# KiCad board NoU2-panelized2.kicad_pcb (continued)
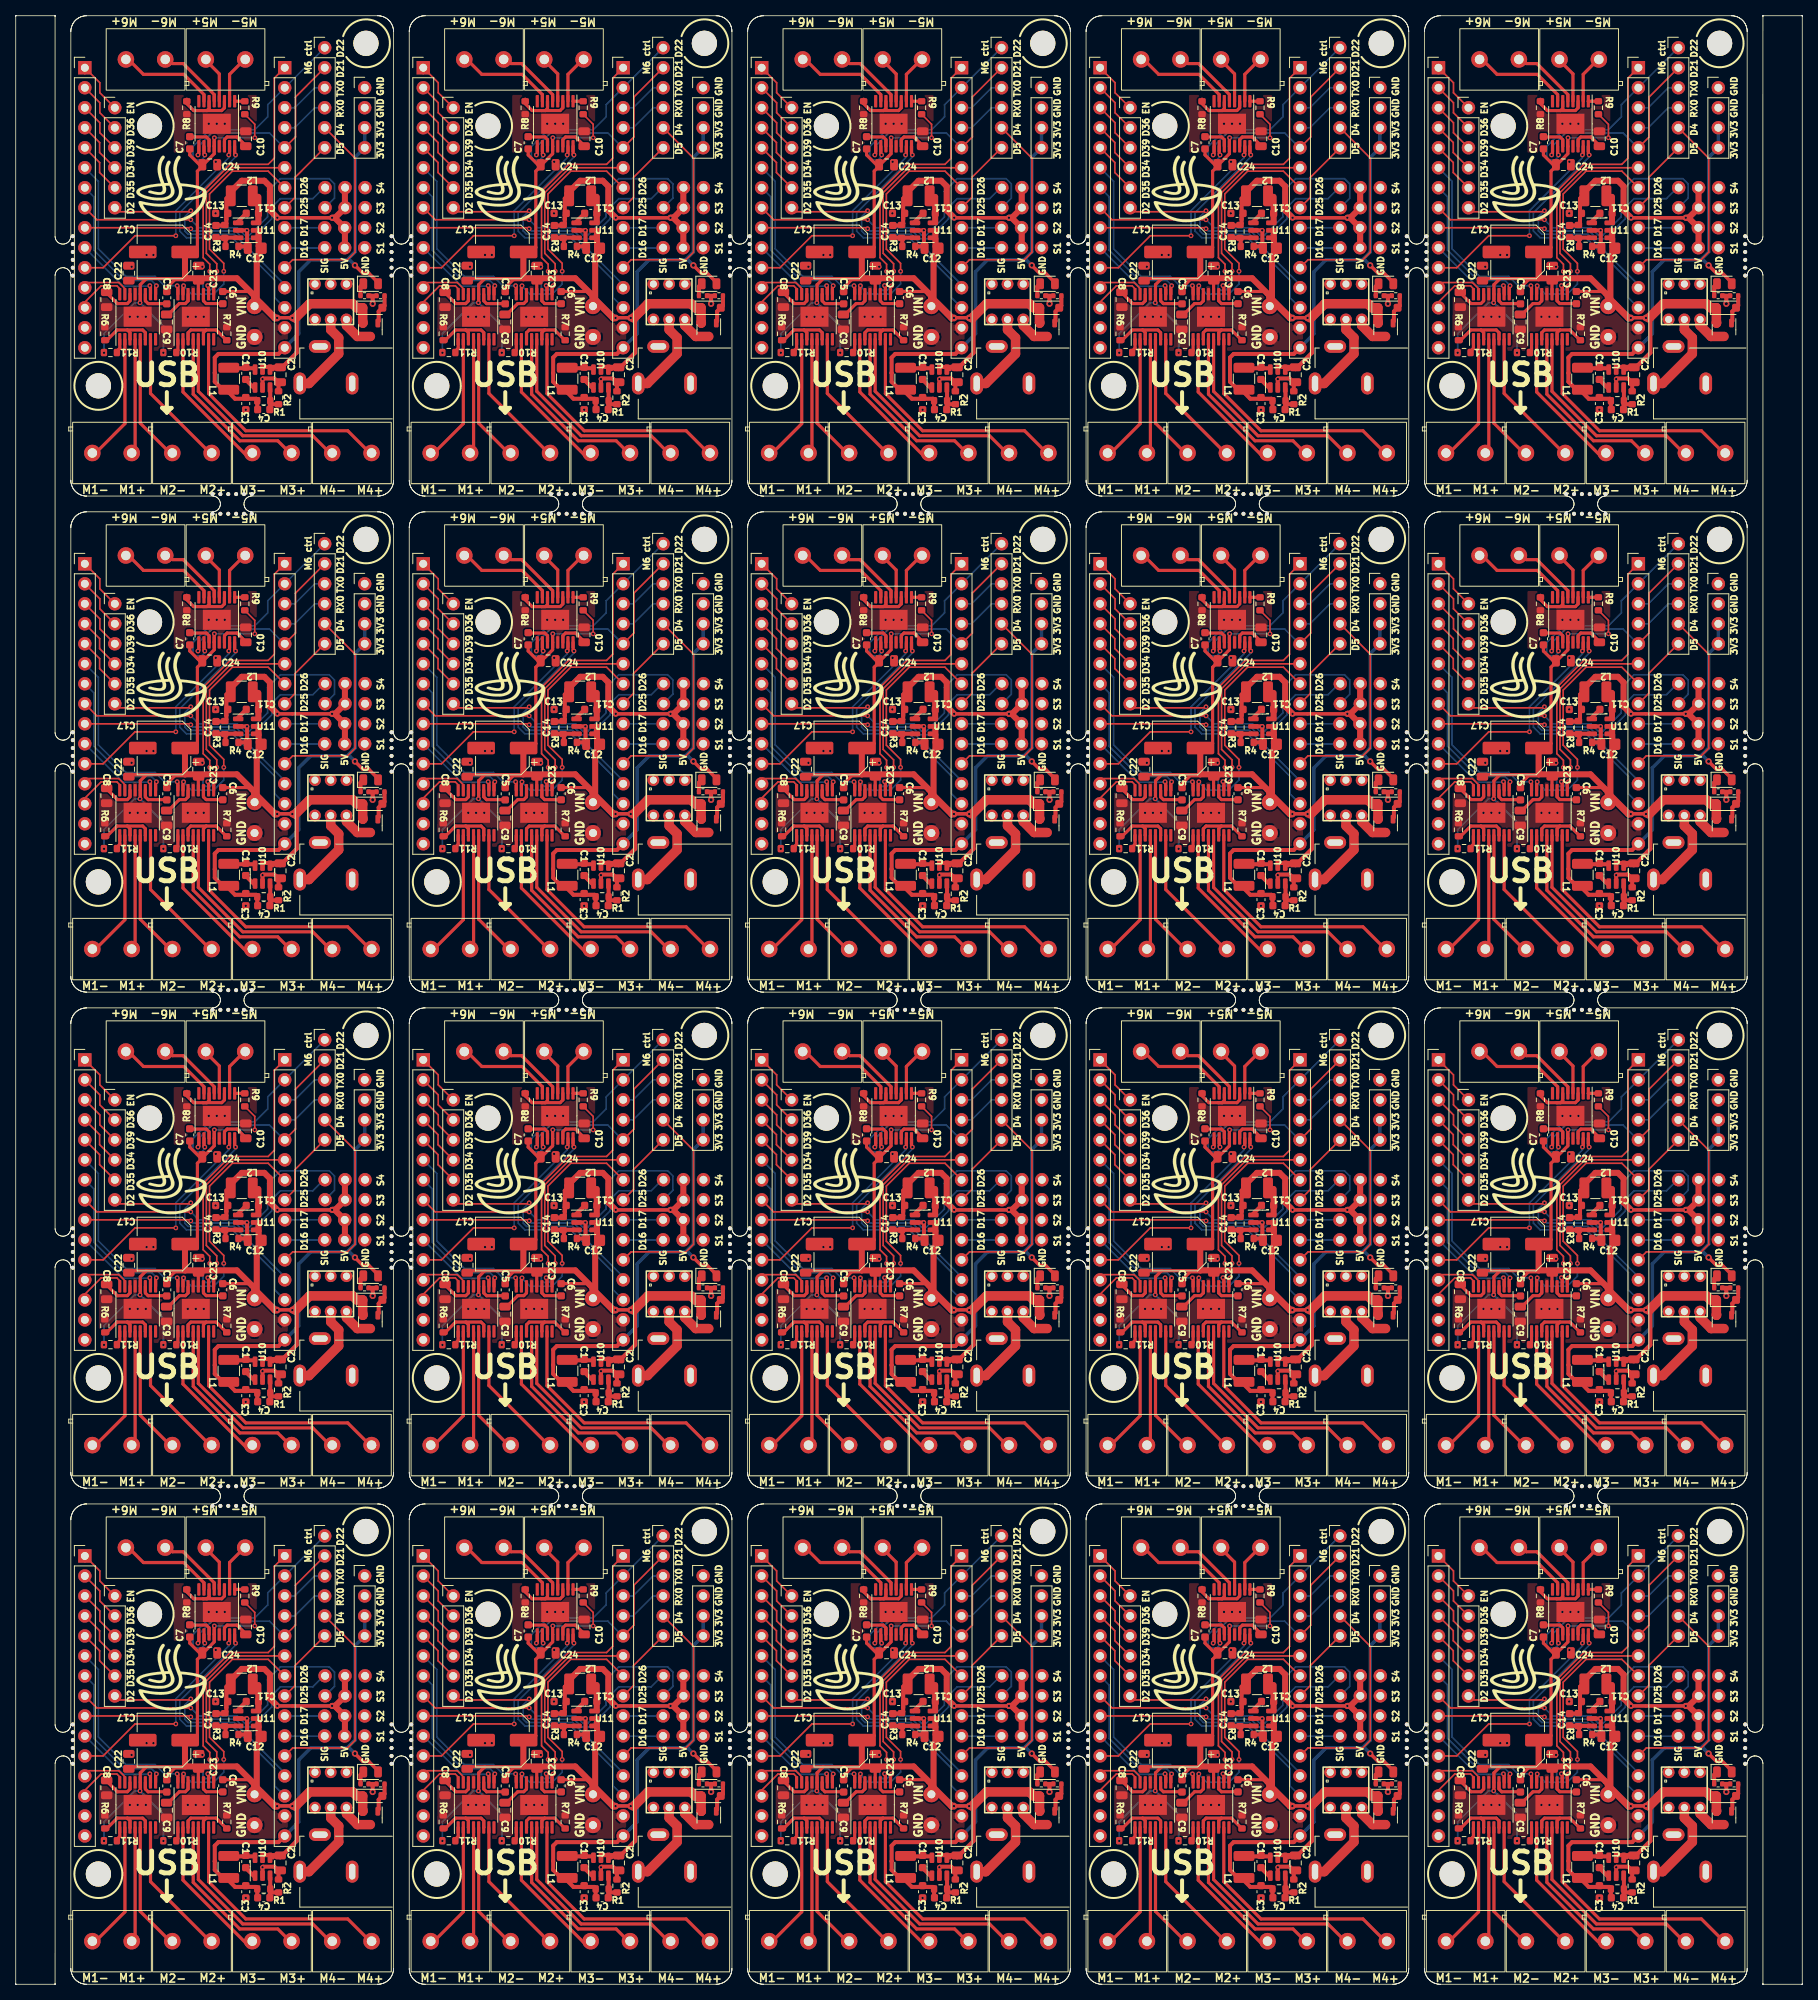
[diagram p0: board, top side]
## Routing (per net, layer and track width the routed paths; a pad name or vN(x,y) marks a point on that pad's centre or on a via; arc(x,y) is an arc through that point) (continued)
Board_17-3V3: length 60.9
  Top w0.432: v1(129.1,29.3) 130.1,28.3 130.85,28.3 132.04,27.11 D1#18.2
  Top w0.508: 113.07,13.37 112.94,13.5 112.94,13.29 113.87,12.36 116.56,12.36 116.81,12.11 ; 116.81,11.04 116.86,10.99 ; 113.2,13.25 112.56,13.25 111.29,14.52 111.29,15.63 111.29,15.63 111.29,17.59 111.75,18.05 119.39,18.05 J5#7.15 ; R1#7.1 116.69,11.04
  Bottom w0.432: J3#20.3 J3#20.4 129.11,43.01 129.11,31.01 128.12,30.01 ; v1(129.1,29.3) 128.39,30.01 128.12,30.01 ; 128.12,30.01 123.48,30.01 121.96,28.49 121.96,20.62 J5#7.15
Board_17-5V: length 40.3
  Top w0.432: v2(126.2,35.35) v2(119.24,35.35)
  Top w0.508: C14#7.2 112.5,34.37 R3#16.1 112.76,34.63 112.76,35.14 ; 113.11,38.14 112.76,37.79 112.76,35.14 ; 112.76,35.14 112.76,35.69 112.98,35.9 112.98,36.1
  Top w0.762: 127.82,31.51 127.82,34.05 126.53,35.35 v2(126.2,35.35) 126.58,35.35 127.82,36.59 127.82,39.16 ; v2(119.24,35.35) 118.3,36.29 118.3,39.33 117.59,40.05 115.58,40.05 115.58,40.04 114.72,40.04 113.11,38.43 113.11,38.14
  Bottom w0.432: v2(119.24,35.35) v2(126.2,35.35)
Board_17-/Sheet6057E9B8/D34: length 6.7
  Top w0.203: J4#4.4 96.66,43.63 96.66,44.9 J2.4
Board_17-/Sheet6057E9B8/D35: length 6.7
  Top w0.203: J4#4.5 96.66,41.09 96.66,42.36 J2.5
Board_17-/Sheet6057E9B8/D36: length 6.7
  Top w0.203: J2.2 96.68,49.95 96.68,48.68 J4#4.2
Board_17-/Sheet6057E9B8/D39: length 6.7
  Top w0.203: J4#4.3 96.68,46.14 96.68,47.41 J2.3
Board_17-/Sheet6057E9B8/EN: length 7.3
  Top w0.203: J4#4.1 96.68,51.22 96.68,52.49 J2.1
  Top w0.399: 94.78,53.76 J2.1
Board_17-D2: length 28.7
  Top w0.203: v2(108.24,36.24) 108.11,36.11 99.1,36.11 J4#4.6
  Bottom w0.203: J5#7.12 120.18,26.84 113.77,33.25 107.9,33.25 107.48,33.67 107.48,35.47 v2(108.24,36.24)
Board_17-D4: length 27.2
  Top w0.203: J5#7.11 121.19,30.01 128.15,30.01 129.12,30.98 129.12,42.92 J1#20.5
Board_17-D5: length 9.7
  Top w0.203: J5#7.8 121.5,37.94 121.5,40.48 J1#20.6
Board_17-GND: length 11.5
  Top w0.508: 115.32,10.98 115.33,10.98 ; R4#20.2 115.31,31.71 115.4,31.8 115.4,33.72 v2(115.38,33.75) 114.06,33.75 ; R5#9.2 131.1,25.44 ; 131.1,25.44 R14#13.2 ; 131.1,25.44 131.36,25.19 v1(131.36,24.42) ; R2#5.2 119.39,14.24 119.61,14.46 119.33,14.46 118.86,14.93 117.43,14.93 v2(117.36,14.86) 117.36,13.61
  vias: v2(100.49,22.77) v2(100.72,29.12) v2(101.5,22.77) v2(102.53,22.77) v2(102.63,30.62) v2(103.49,30.62) v2(107.86,22.77) v2(108.88,22.77) v2(109.71,29.12) v2(109.89,22.77) v2(110.53,47.28) v2(111.42,42.46) v2(111.39,35.9) v2(111.54,47.28) v2(112.56,47.28) v2(115.23,10.96)
Board_17-M1A: length 6.9
  Top w0.203: 99.22,25.64 99.22,26.33 98.85,26.7 96.85,26.7 94.78,24.63 J2.13
Board_17-M1B: length 6.8
  Top w0.203: J2.12 94.78,27.12 99.1,27.12 99.87,26.34 99.87,25.64
Board_17-M2A: length 11.3
  Top w0.399: 103.03,26.66 103.12,26.57 103.12,25.64
  Bottom w0.203: J2.10 99.66,26.66 103.03,26.66
  vias: v2(103.03,26.72)
Board_17-M2B: length 19.4
  Top w0.399: 103.77,25.64 103.77,26.56 103.87,26.66
  Bottom w0.203: J2.7 95.93,38 95.93,31.22 99.78,27.37 103.26,27.37 103.87,26.76 v2(103.87,26.71) 103.87,26.66 103.87,26.72
Board_17-M3A: length 24
  Top w0.399: 106.51,26.66 106.6,26.57 U3.16
  Bottom w0.203: v2(106.51,26.72) 104.88,26.72 103.7,27.9 100,27.9 96.5,31.4 96.5,39.97 J2.6
Board_17-M3B: length 30.9
  Top w0.203: J5#7.7 118.07,41.26 113.52,41.26 110.62,38.36 110.62,31.36 112.43,29.55 v2(112.43,28.54) ; 107.25,26.58 107.33,26.66
  Top w0.399: U3.15 107.25,26.58
  Bottom w0.203: v2(112.43,28.54) 112.43,26.93 111.15,25.65 108.34,25.65 107.33,26.66
  vias: v2(107.33,26.71)
Board_17-M4A: length 25.2
  Top w0.203: J5#7.6 113.39,41.7 110.22,38.53 110.22,30.83 111.54,29.5 v2(111.54,28.54)
  Top w0.399: 110.4,26.66 110.5,26.56 U3.10
  Bottom w0.203: v2(111.54,28.54) 111.54,27.82 110.4,26.67 110.4,26.66
  vias: v2(110.4,26.74)
Board_17-M4B: length 38.7
  Top w0.203: v2(110.65,28.54) 110.65,29.44 109.82,30.28 109.82,38.7 113.24,42.13 118.07,42.13 118.86,42.92 118.86,53.08 J5#7.1
  Top w0.399: U3.9 111.15,26.55 111.26,26.66
  Bottom w0.203: v2(111.29,26.71) 110.71,26.13 110.11,26.13 109.79,26.44 109.79,27.12 110.65,27.98 v2(110.65,28.54)
Board_17-M5A: length 32.5
  Top w0.399: 113.93,43.37 v2(113.93,43.32) 113.82,43.43 U2#11.16
  Bottom w0.203: v2(113.93,43.32) 113.93,43.07 106.84,35.98 106.84,33.65 107.69,32.81 113.51,32.81 118.91,27.41 118.91,25.19 120.18,23.92 J5#7.13
Board_17-M5B: length 27.4
  Top w0.203: J2.11 97.1,29 101.16,33.06 v2(106.34,33.06)
  Top w0.399: 113.07,43.37 113.17,43.47 U2#11.15
  Bottom w0.203: 113.07,43.37 113.07,42.97 106.34,36.24 v2(106.34,33.06)
  vias: v2(113.07,43.32)
Board_17-M6A: length 27.3
  Top w0.203: 125.25,56.94 J1#20.1
  Top w0.399: 110.02,43.37 109.92,43.47 U2#11.10
  Bottom w0.203: v2(110.02,43.32) 110.02,43.12 109.59,42.69 108.85,42.69 108.53,43.02 108.53,44.39 110.65,46.52 116.37,46.52 118.02,48.17 118.02,49.7 J5#7.2 125.25,56.94
Board_17-M6B: length 26.9
  Top w0.203: J5#7.5 121.55,45.61 121.55,50.69 J1#20.2
  Top w0.399: U2#11.9 109.27,43.49 109.16,43.37
  Bottom w0.203: 109.16,43.37 109.27,43.49 109.27,44.46 110.92,46.11 118.24,46.11 120.11,44.24 J5#7.5
  vias: v2(109.16,43.32)
Board_17-Net-(D1-K): length 1.7
  Top w0.508: R14#13.1 129.81,26.61 D1#18.1
Board_17-Net-(D3-A): length 3.7
  Top w0.508: 132.01,22.12 132.12,22.23 132.12,23.45 D3#8.2 132.86,24.19 R5#9.1
Board_17-Net-(J10-Pad1): length 11.3
  Top w1.2: 122.08,14.3 123.26,14.3 127.04,18.07 127.04,20.11 126.02,21.12 U4#6.5
Board_17-Net-(J11-Pin_1): length 14.9
  Top w0.399: 101.17,19.91 101.17,5.42 100.88,5.12
Board_17-Net-(J11-Pin_2): length 16.5
  Top w0.399: 99.87,19.91 99.87,9.2 95.8,5.12
Board_17-Net-(J15-Pin_1): length 18.1
  Top w0.399: 103.12,19.91 103.12,13.03 111.03,5.12
Board_17-Net-(J15-Pin_2): length 16.5
  Top w0.399: 105.96,5.12 101.82,9.25 101.82,19.91
Board_17-Net-(J16-Pin_1): length 22.9
  Top w0.399: U3.4 108.55,12.94 114.47,7.02 119.3,7.02 121.19,5.12
Board_17-Net-(J16-Pin_2): length 18.9
  Top w0.399: U3.2 107.25,13.22 115.35,5.12 116.12,5.12
Board_17-Net-(J17-Pin_1): length 31
  Top w0.399: 131.36,5.12 128.18,8.3 115.23,8.3 110.5,13.02 U3.7
Board_17-Net-(J17-Pin_2): length 27.1
  Top w0.399: U3.5 109.2,13.3 114.84,7.66 123.74,7.66 126.28,5.12
Board_17-Net-(J18-Pin_1): length 6.4
  Top w0.399: 110.15,55.79 110.15,55.34 111.87,53.61 U2#11.4
Board_17-Net-(J18-Pin_2): length 6.5
  Top w0.399: 115.23,55.79 115.23,55.62 113.17,53.56 U2#11.2
Board_17-Net-(J19-Pin_1): length 12.8
  Top w0.399: 99.99,55.79 102.22,53.56 107.35,53.56 109.92,50.99 U2#11.7
Board_17-Net-(J19-Pin_2): length 9
  Top w0.399: U2#11.5 111.22,50.99 107.28,54.93 105.93,54.93 105.07,55.79
Board_17-Net-(Q1-D): length 4.4
  Top w1.2: Q1#15.3 129.41,20.27 128.02,21.66 U4#6.6
Board_17-Net-(U1-AISEN): length 7.8
  Top w0.399: 97.7,19.66 97.7,19.91 98.89,21.1 100.18,21.1 ; 100.52,19.91 100.52,19.91 100.52,20.75 100.18,21.1 ; 100.18,21.1 102.13,21.1 102.47,20.75 102.47,19.91 102.47,19.91
Board_17-Net-(U1-nSLEEP): length 1.8
  Top w0.399: 98.78,18.33 99.22,18.77 99.22,19.91
Board_17-Net-(U1-VCP): length 3.7
  Top w0.399: 102.47,25.64 102.47,24.79 102.82,24.44 105.16,24.44 C5#17.2
Board_17-Net-(U1-VINT): length 4.6
  Top w0.399: C8#11.1 97.55,25.81 98.91,24.45 100.18,24.45 100.52,24.79 100.52,25.64
Board_17-Net-(U2-AISEN): length 8.5
  Top w0.399: U2#11.3 112.52,49.3 112.17,48.96 109.79,48.96 ; 109.79,48.96 110.3,48.96 110.57,49.23 U2#11.6 ; 109.79,48.96 108.61,48.96 107.73,49.84 107.73,50.4
Board_17-Net-(U2-nSLEEP): length 1.3
  Top w0.399: U2#11.1 113.82,50.14 R9.1
Board_17-Net-(U2-VCP): length 3.5
  Top w0.399: C7#18.2 108.15,45.61 110.22,45.61 110.57,45.27 U2#11.11
Board_17-Net-(U2-VINT): length 4.2
  Top w0.399: U2#11.14 112.52,45.27 112.86,45.61 114.12,45.61 115.23,44.51 C10#9.1
Board_17-Net-(U3-AISEN): length 7.8
  Top w0.399: 110.19,21.1 111.47,21.1 112.69,19.89 112.69,19.66 ; 110.19,21.1 108.24,21.1 107.9,20.75 U3.3 107.9,19.91 ; 110.19,21.1 109.85,20.75 U3.6 109.84,19.9
Board_17-Net-(U3-nSLEEP): length 1.7
  Top w0.399: U3.1 106.6,18.53 106.4,18.33
Board_17-Net-(U3-VCP): length 3.4
  Top w0.399: C6#18.2 112.28,24.45 110.19,24.45 109.85,24.79 U3.11
Board_17-Net-(U3-VINT): length 4.3
  Top w0.399: C9#7.1 105.4,23.06 106.78,24.45 107.56,24.45 107.9,24.79 U3.14
Board_17-Net-(U10-BS): length 1.7
  Top w0.508: 115.2,14.8 116.37,13.63 ; 115.33,14.81 115.33,14.78
Board_17-Net-(U10-FB): length 4.1
  Top w0.508: C4.1 118.29,12.06 ; 118.29,12.06 R1#7.2 118.34,13.59 ; 118.29,12.06 118.29,11.84 118.46,11.66 R2#5.1 ; 118.41,12.06 118.46,12.11
Board_17-Net-(U10-LX): length 3.3
  Top w0.508: 116.43,16.23 113.15,16.23
Board_17-Net-(U11-BS): length 1.7
  Top w0.508: C11#14.2 114.08,34.7 114.06,34.7
Board_17-Net-(U11-FB): length 3.7
  Top w0.508: 114.06,32.8 114.04,32.82 C14#7.1 ; R3#16.2 112.65,32.69 R4#20.1
Board_17-Net-(U11-LX): length 3.5
  Top w0.508: 116.7,37.99 116.65,38.04 ; 116.68,35.75 C11#14.1 116.7,36.04
  Top w0.762: 116.83,34.81 116.83,35.86 ; 116.83,36.06 116.83,38
Board_17-RX0: length 6.1
  Bottom w0.203: J5#7.4 121.45,46.78 123.99,49.32 J1#20.4
Board_17-SRV1: length 5.1
  Top w0.203: 120.21,31.51 J5#7.10
  Bottom w0.203: 125.28,31.51 120.21,31.51
Board_17-SRV2: length 5.1
  Bottom w0.203: J5#7.9 125.25,34.08
Board_17-SRV3: length 41.8
  Top w0.203: J2.8 96.3,35.09 v2(108.24,35.09)
  Bottom w0.203: v2(108.24,35.09) 109.26,34.08 114.15,34.08 115.08,33.14 115.68,33.14 118,35.46 118,38.68 119.63,40.31 125.83,40.31 126.5,39.64 126.5,37.83 125.28,36.62
Board_17-SRV4: length 34.6
  Top w0.203: J2.9 108.15,34.08 v2(108.24,33.95)
  Bottom w0.203: v2(108.24,33.95) 108.52,33.67 113.91,33.67 114.91,32.68 115.99,32.68 118.53,35.22 118.53,36.67 119.63,37.77 123.75,37.77 125.13,39.16 125.28,39.16
Board_17-TX0: length 6.1
  Bottom w0.203: J5#7.3 121.45,49.32 123.99,51.86 J1#20.3
Board_17-VIN: length 119.5
  Top w0.203: v2(116.37,45.51) 116.37,47.22 R9.2
  Top w0.25: J14#17.1 116.74,24.51 116.74,25.1
  Top w0.399: C24#6.1 109.36,42.08 108.11,43.32 C7#18.1 ; C24#6.1 109.7,41.89 109.08,41.26 109.08,31.59 108.5,31 C17#9.1 ; C24#6.1 109.82,42.08 111.22,43.48 U2#11.12 111.21,44.43 111.21,45.51 ; 106.16,27.42 105.19,26.46 C5#17.1 ; 115.01,48.4 R9.2 ; 107.54,27.62 102.6,27.62 101.82,26.84 101.82,24.56 101.81,24.55 ; C6#18.1 115.78,25.98 116.04,25.72 ; 109.21,27.36 109.2,27.35 U3.12 ; C22#12.1 100.61,27.6 ; 100.65,27.62 102.63,27.62 ; 107.49,27.47 106.32,27.47
  Top w0.432: v2(119.21,22.62) 119.25,22.65 121.11,22.65 v2(121.14,22.62)
  Top w0.508: 117.65,16.4 118.27,16.4 ; 116.86,30.72 116.86,30.95 C12#20.2 ; 116.86,32.61 116.68,32.8 ; 118.53,16.27 118.69,16.11 ; 119.6,16.11 119.77,16.28 119.79,16.28 121.7,18.2 121.7,22.46 121.54,22.62 ; 119.52,16.41 118.61,16.41
  Top w0.762: C17#9.1 107.5,30.97 107.5,27.66 ; 116.85,32.7 116.85,33.65 ; 107.57,27.66 114.1,27.66 116.34,25.41 J14#17.1 116.62,24.4 116.62,30.48 116.86,30.72 116.86,32.61
  Top w0.864: v2(119.21,22.62) 118.93,22.62 116.34,25.21 116.34,25.41 ; 121.54,22.62 v2(121.14,22.62)
  Top w1.2: 130.11,22.12 Q1#15.2 130.09,22 D3#8.1 129.32,23.92 128.81,24.42 123.34,24.42 121.54,22.62
  Bottom w0.203: 111.21,45.51 v2(116.37,45.51) ; v2(97.22,18.2) 97.22,20.64 101.13,24.55 v2(101.79,24.55)
  Bottom w0.25: v2(101.79,24.55) 104.76,21.58 v2(104.76,18.2)
  Bottom w0.432: v2(119.21,22.62) 119.25,22.65 121.11,22.65 v2(121.14,22.62)
  vias: v2(111.24,45.51)
Board_18-3V3: length 60.9
  Top w0.432: v1(172.1,29.3) 173.1,28.3 173.85,28.3 175.04,27.11 D1#11.2
  Top w0.508: 156.07,13.37 155.94,13.5 155.94,13.29 156.87,12.36 159.56,12.36 159.81,12.11 ; 159.81,11.04 159.86,10.99 ; 156.2,13.25 155.56,13.25 154.29,14.52 154.29,15.63 154.29,15.63 154.29,17.59 154.75,18.05 162.39,18.05 J5#16.15 ; R1#8.1 159.69,11.04
  Bottom w0.432: J3#3.3 J3#3.4 172.11,43.01 172.11,31.01 171.12,30.01 ; v1(172.1,29.3) 171.39,30.01 171.12,30.01 ; 171.12,30.01 166.48,30.01 164.96,28.49 164.96,20.62 J5#16.15
Board_18-5V: length 40.3
  Top w0.432: v2(169.2,35.35) v2(162.24,35.35)
  Top w0.508: C14#9.2 155.5,34.37 R3#6.1 155.76,34.63 155.76,35.14 ; 156.11,38.14 155.76,37.79 155.76,35.14 ; 155.76,35.14 155.76,35.69 155.98,35.9 155.98,36.1
  Top w0.762: 170.82,31.51 170.82,34.05 169.53,35.35 v2(169.2,35.35) 169.58,35.35 170.82,36.59 170.82,39.16 ; v2(162.24,35.35) 161.3,36.29 161.3,39.33 160.59,40.05 158.58,40.05 158.58,40.04 157.72,40.04 156.11,38.43 156.11,38.14
  Bottom w0.432: v2(162.24,35.35) v2(169.2,35.35)
Board_18-/Sheet6057E9B8/D34: length 6.7
  Top w0.203: J4#18.4 139.66,43.63 139.66,44.9 J2#5.4
Board_18-/Sheet6057E9B8/D35: length 6.7
  Top w0.203: J4#18.5 139.66,41.09 139.66,42.36 J2#5.5
Board_18-/Sheet6057E9B8/D36: length 6.7
  Top w0.203: J2#5.2 139.68,49.95 139.68,48.68 J4#18.2
Board_18-/Sheet6057E9B8/D39: length 6.7
  Top w0.203: J4#18.3 139.68,46.14 139.68,47.41 J2#5.3
Board_18-/Sheet6057E9B8/EN: length 7.3
  Top w0.203: J4#18.1 139.68,51.22 139.68,52.49 J2#5.1
  Top w0.399: 137.78,53.76 J2#5.1
Board_18-D2: length 28.7
  Top w0.203: v2(151.24,36.24) 151.11,36.11 142.1,36.11 J4#18.6
  Bottom w0.203: J5#16.12 163.18,26.84 156.77,33.25 150.9,33.25 150.48,33.67 150.48,35.47 v2(151.24,36.24)
Board_18-D4: length 27.2
  Top w0.203: J5#16.11 164.19,30.01 171.15,30.01 172.12,30.98 172.12,42.92 J1#19.5
Board_18-D5: length 9.7
  Top w0.203: J5#16.8 164.5,37.94 164.5,40.48 J1#19.6
Board_18-GND: length 11.5
  Top w0.508: 158.32,10.98 158.33,10.98 ; R4#6.2 158.31,31.71 158.4,31.8 158.4,33.72 v2(158.38,33.75) 157.06,33.75 ; R5#17.2 174.1,25.44 ; 174.1,25.44 R14#4.2 ; 174.1,25.44 174.36,25.19 v1(174.36,24.42) ; R2#4.2 162.39,14.24 162.61,14.46 162.33,14.46 161.86,14.93 160.43,14.93 v2(160.36,14.86) 160.36,13.61
  vias: v2(143.49,22.77) v2(143.72,29.12) v2(144.5,22.77) v2(145.53,22.77) v2(145.63,30.62) v2(146.49,30.62) v2(150.86,22.77) v2(151.88,22.77) v2(152.71,29.12) v2(152.89,22.77) v2(153.53,47.28) v2(154.42,42.46) v2(154.39,35.9) v2(154.54,47.28) v2(155.56,47.28) v2(158.23,10.96)
Board_18-M1A: length 6.9
  Top w0.203: 142.22,25.64 142.22,26.33 141.85,26.7 139.85,26.7 137.78,24.63 J2#5.13
Board_18-M1B: length 6.8
  Top w0.203: J2#5.12 137.78,27.12 142.1,27.12 142.87,26.34 142.87,25.64
Board_18-M2A: length 11.3
  Top w0.399: 146.03,26.66 146.12,26.57 146.12,25.64
  Bottom w0.203: J2#5.10 142.66,26.66 146.03,26.66
  vias: v2(146.03,26.72)
Board_18-M2B: length 19.4
  Top w0.399: 146.77,25.64 146.77,26.56 146.87,26.66
  Bottom w0.203: J2#5.7 138.93,38 138.93,31.22 142.78,27.37 146.26,27.37 146.87,26.76 v2(146.87,26.71) 146.87,26.66 146.87,26.72
Board_18-M3A: length 24
  Top w0.399: 149.51,26.66 149.6,26.57 U3#14.16
  Bottom w0.203: v2(149.51,26.72) 147.88,26.72 146.7,27.9 143,27.9 139.5,31.4 139.5,39.97 J2#5.6
Board_18-M3B: length 30.9
  Top w0.203: J5#16.7 161.07,41.26 156.52,41.26 153.62,38.36 153.62,31.36 155.43,29.55 v2(155.43,28.54) ; 150.25,26.58 150.33,26.66
  Top w0.399: U3#14.15 150.25,26.58
  Bottom w0.203: v2(155.43,28.54) 155.43,26.93 154.15,25.65 151.34,25.65 150.33,26.66
  vias: v2(150.33,26.71)
Board_18-M4A: length 25.2
  Top w0.203: J5#16.6 156.39,41.7 153.22,38.53 153.22,30.83 154.54,29.5 v2(154.54,28.54)
  Top w0.399: 153.4,26.66 153.5,26.56 U3#14.10
  Bottom w0.203: v2(154.54,28.54) 154.54,27.82 153.4,26.67 153.4,26.66
  vias: v2(153.4,26.74)
Board_18-M4B: length 38.7
  Top w0.203: v2(153.65,28.54) 153.65,29.44 152.82,30.28 152.82,38.7 156.24,42.13 161.07,42.13 161.86,42.92 161.86,53.08 J5#16.1
  Top w0.399: U3#14.9 154.15,26.55 154.26,26.66
  Bottom w0.203: v2(154.29,26.71) 153.71,26.13 153.11,26.13 152.79,26.44 152.79,27.12 153.65,27.98 v2(153.65,28.54)
Board_18-M5A: length 32.5
  Top w0.399: 156.93,43.37 v2(156.93,43.32) 156.82,43.43 U2#10.16
  Bottom w0.203: v2(156.93,43.32) 156.93,43.07 149.84,35.98 149.84,33.65 150.69,32.81 156.51,32.81 161.91,27.41 161.91,25.19 163.18,23.92 J5#16.13
Board_18-M5B: length 27.4
  Top w0.203: J2#5.11 140.1,29 144.16,33.06 v2(149.34,33.06)
  Top w0.399: 156.07,43.37 156.17,43.47 U2#10.15
  Bottom w0.203: 156.07,43.37 156.07,42.97 149.34,36.24 v2(149.34,33.06)
  vias: v2(156.07,43.32)
Board_18-M6A: length 27.3
  Top w0.203: 168.25,56.94 J1#19.1
  Top w0.399: 153.02,43.37 152.92,43.47 U2#10.10
  Bottom w0.203: v2(153.02,43.32) 153.02,43.12 152.59,42.69 151.85,42.69 151.53,43.02 151.53,44.39 153.65,46.52 159.37,46.52 161.02,48.17 161.02,49.7 J5#16.2 168.25,56.94
Board_18-M6B: length 26.9
  Top w0.203: J5#16.5 164.55,45.61 164.55,50.69 J1#19.2
  Top w0.399: U2#10.9 152.27,43.49 152.16,43.37
  Bottom w0.203: 152.16,43.37 152.27,43.49 152.27,44.46 153.92,46.11 161.24,46.11 163.11,44.24 J5#16.5
  vias: v2(152.16,43.32)
Board_18-Net-(D1-K): length 1.7
  Top w0.508: R14#4.1 172.81,26.61 D1#11.1
Board_18-Net-(D3-A): length 3.7
  Top w0.508: 175.01,22.12 175.12,22.23 175.12,23.45 D3#20.2 175.86,24.19 R5#17.1
Board_18-Net-(J10-Pad1): length 11.3
  Top w1.2: 165.08,14.3 166.26,14.3 170.04,18.07 170.04,20.11 169.02,21.12 U4#15.5
Board_18-Net-(J11-Pin_1): length 14.9
  Top w0.399: 144.17,19.91 144.17,5.42 143.88,5.12
Board_18-Net-(J11-Pin_2): length 16.5
  Top w0.399: 142.87,19.91 142.87,9.2 138.8,5.12
Board_18-Net-(J15-Pin_1): length 18.1
  Top w0.399: 146.12,19.91 146.12,13.03 154.03,5.12
Board_18-Net-(J15-Pin_2): length 16.5
  Top w0.399: 148.96,5.12 144.82,9.25 144.82,19.91
Board_18-Net-(J16-Pin_1): length 22.9
  Top w0.399: U3#14.4 151.55,12.94 157.47,7.02 162.3,7.02 164.19,5.12
Board_18-Net-(J16-Pin_2): length 18.9
  Top w0.399: U3#14.2 150.25,13.22 158.35,5.12 159.12,5.12
Board_18-Net-(J17-Pin_1): length 31
  Top w0.399: 174.36,5.12 171.18,8.3 158.23,8.3 153.5,13.02 U3#14.7
Board_18-Net-(J17-Pin_2): length 27.1
  Top w0.399: U3#14.5 152.2,13.3 157.84,7.66 166.74,7.66 169.28,5.12
Board_18-Net-(J18-Pin_1): length 6.4
  Top w0.399: 153.15,55.79 153.15,55.34 154.87,53.61 U2#10.4
Board_18-Net-(J18-Pin_2): length 6.5
  Top w0.399: 158.23,55.79 158.23,55.62 156.17,53.56 U2#10.2
Board_18-Net-(J19-Pin_1): length 12.8
  Top w0.399: 142.99,55.79 145.22,53.56 150.35,53.56 152.92,50.99 U2#10.7
Board_18-Net-(J19-Pin_2): length 9
  Top w0.399: U2#10.5 154.22,50.99 150.28,54.93 148.93,54.93 148.07,55.79
Board_18-Net-(Q1-D): length 4.4
  Top w1.2: Q1#9.3 172.41,20.27 171.02,21.66 U4#15.6
Board_18-Net-(U1-AISEN): length 7.8
  Top w0.399: 140.7,19.66 140.7,19.91 141.89,21.1 143.18,21.1 ; 143.52,19.91 143.52,19.91 143.52,20.75 143.18,21.1 ; 143.18,21.1 145.13,21.1 145.47,20.75 145.47,19.91 145.47,19.91
Board_18-Net-(U1-nSLEEP): length 1.8
  Top w0.399: 141.78,18.33 142.22,18.77 142.22,19.91
Board_18-Net-(U1-VCP): length 3.7
  Top w0.399: 145.47,25.64 145.47,24.79 145.82,24.44 148.16,24.44 C5#19.2
Board_18-Net-(U1-VINT): length 4.6
  Top w0.399: C8#2.1 140.55,25.81 141.91,24.45 143.18,24.45 143.52,24.79 143.52,25.64
Board_18-Net-(U2-AISEN): length 8.5
  Top w0.399: U2#10.3 155.52,49.3 155.17,48.96 152.79,48.96 ; 152.79,48.96 153.3,48.96 153.57,49.23 U2#10.6 ; 152.79,48.96 151.61,48.96 150.73,49.84 150.73,50.4
Board_18-Net-(U2-nSLEEP): length 1.3
  Top w0.399: U2#10.1 156.82,50.14 R9#20.1
Board_18-Net-(U2-VCP): length 3.5
  Top w0.399: C7#4.2 151.15,45.61 153.22,45.61 153.57,45.27 U2#10.11
Board_18-Net-(U2-VINT): length 4.2
  Top w0.399: U2#10.14 155.52,45.27 155.86,45.61 157.12,45.61 158.23,44.51 C10#18.1
Board_18-Net-(U3-AISEN): length 7.8
  Top w0.399: 153.19,21.1 154.47,21.1 155.69,19.89 155.69,19.66 ; 153.19,21.1 151.24,21.1 150.9,20.75 U3#14.3 150.9,19.91 ; 153.19,21.1 152.85,20.75 U3#14.6 152.84,19.9
Board_18-Net-(U3-nSLEEP): length 1.7
  Top w0.399: U3#14.1 149.6,18.53 149.4,18.33
Board_18-Net-(U3-VCP): length 3.4
  Top w0.399: C6#12.2 155.28,24.45 153.19,24.45 152.85,24.79 U3#14.11
Board_18-Net-(U3-VINT): length 4.3
  Top w0.399: C9#20.1 148.4,23.06 149.78,24.45 150.56,24.45 150.9,24.79 U3#14.14
Board_18-Net-(U10-BS): length 1.7
  Top w0.508: 158.2,14.8 159.37,13.63 ; 158.33,14.81 158.33,14.78
Board_18-Net-(U10-FB): length 4.1
  Top w0.508: C4#16.1 161.29,12.06 ; 161.29,12.06 R1#8.2 161.34,13.59 ; 161.29,12.06 161.29,11.84 161.46,11.66 R2#4.1 ; 161.41,12.06 161.46,12.11
Board_18-Net-(U10-LX): length 3.3
  Top w0.508: 159.43,16.23 156.15,16.23
Board_18-Net-(U11-BS): length 1.7